# Altium PCB R32-Micro.PcbDoc (part 1 of 3) (continued)
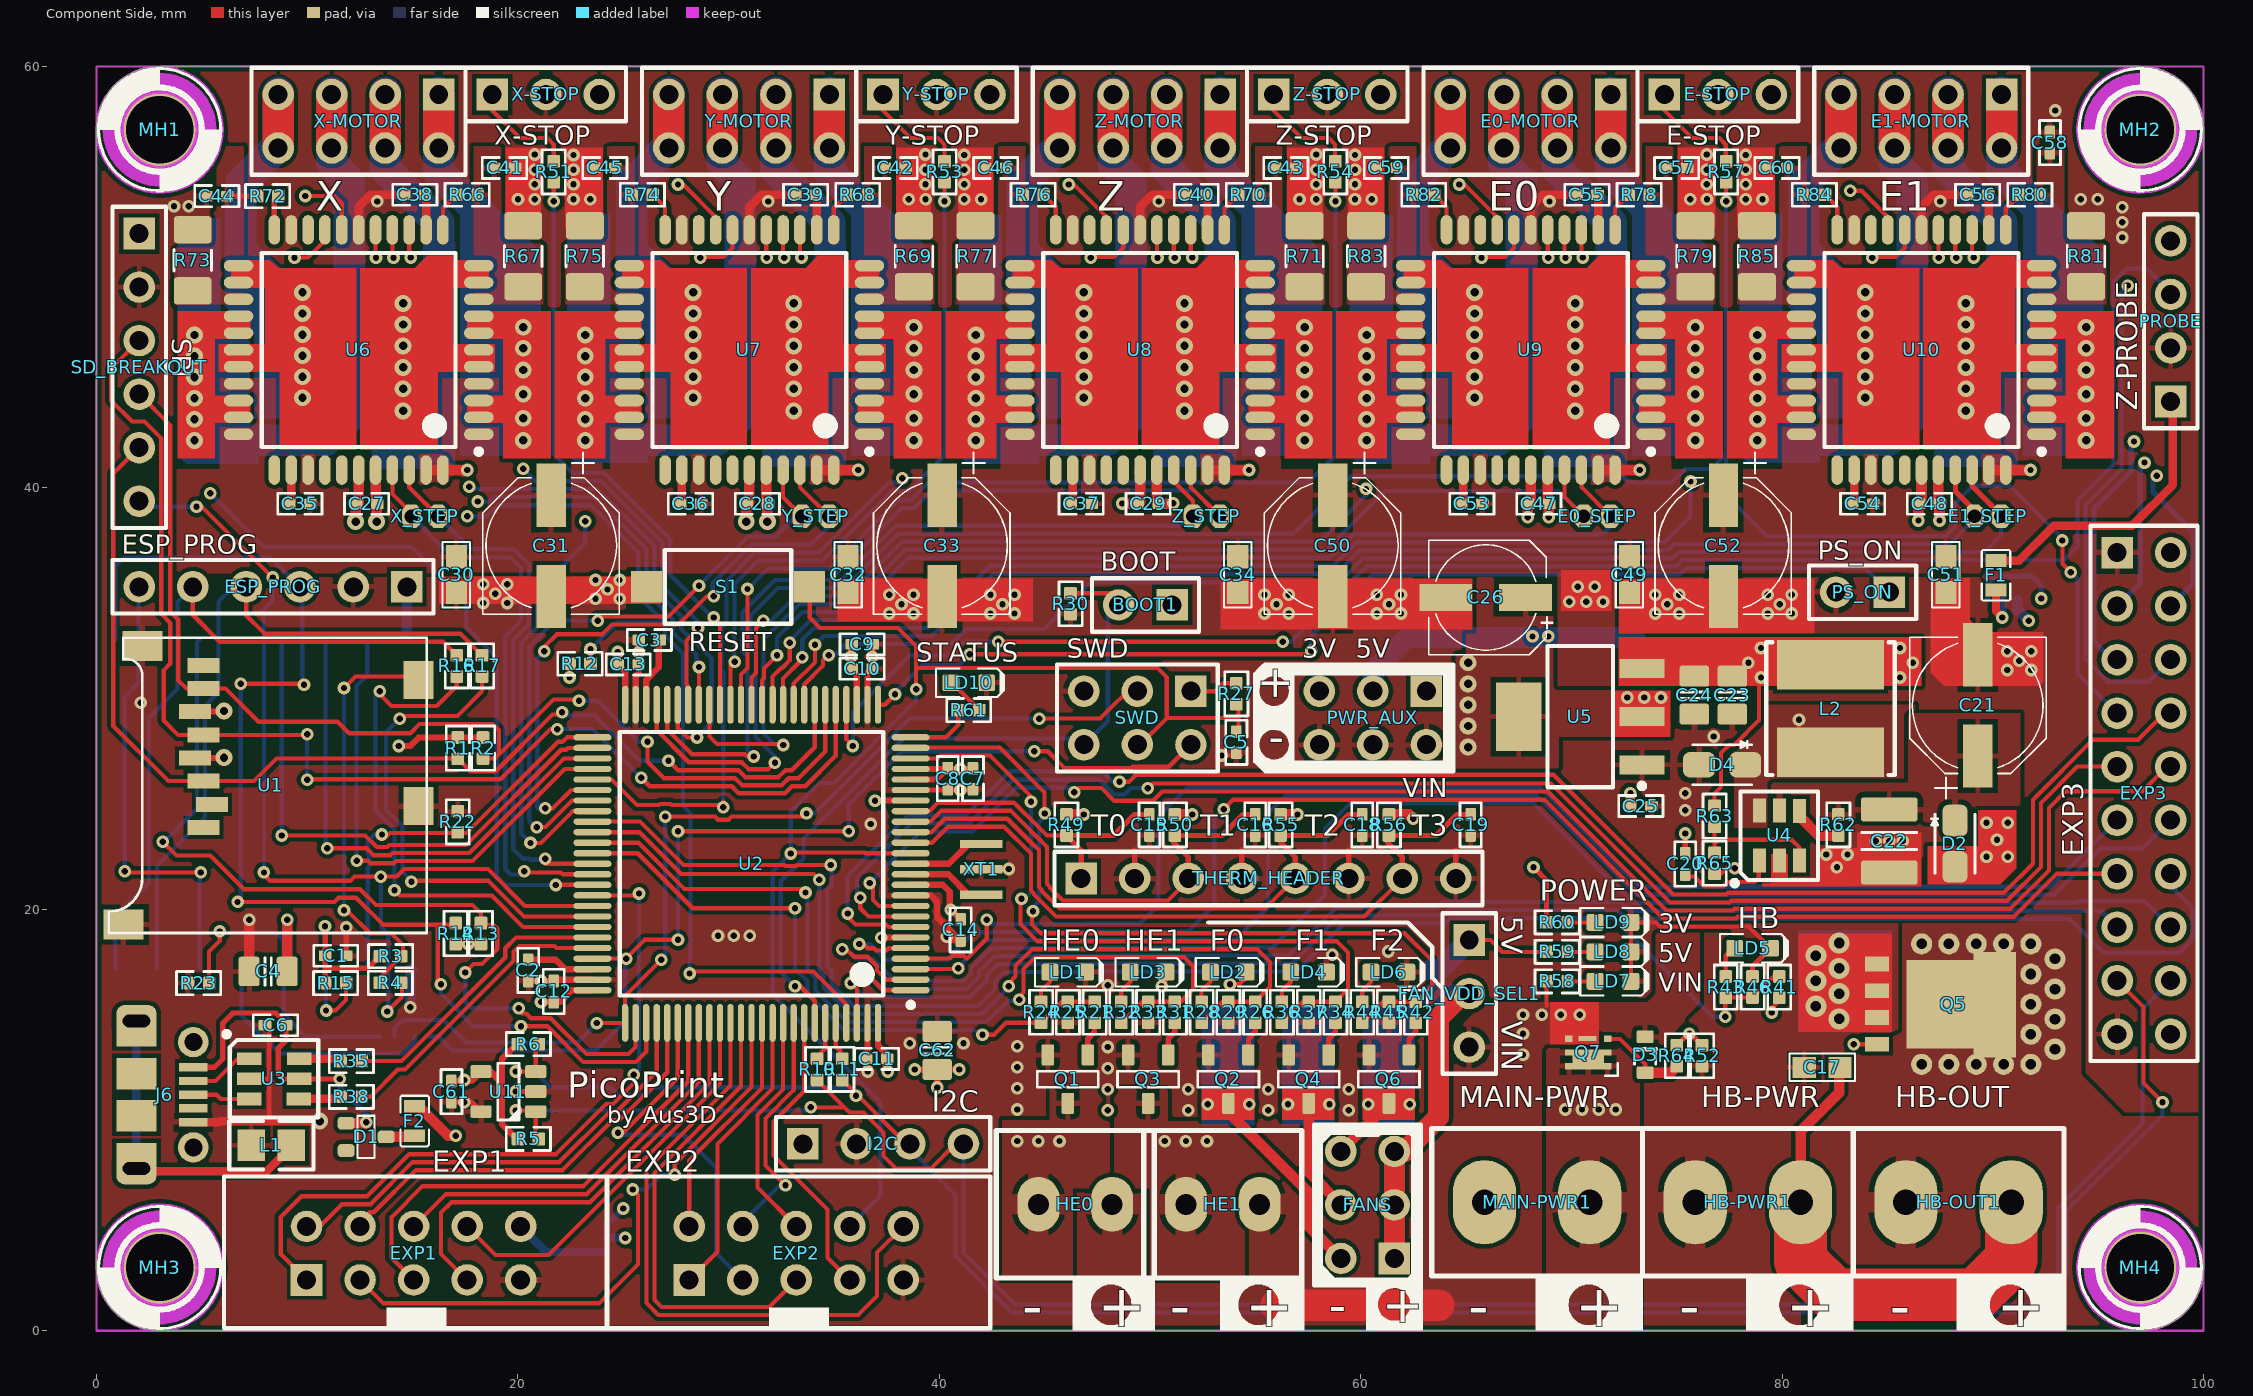
[diagram p0: Component Side view]
## Components (designator, comment, footprint, x,y, rotation, side; value= is the part's Value field where it differs from the comment) (continued)
FANS "FAN0" HDR2X3-Header 61.595,3.429 r90 top
HB-OUT1 "Screw Terminal 5mm 2-Way" "TERM2 5MM" 85.873,6.1 r0 top
HB-PWR1 "Screw Terminal 5mm 2-Way" "TERM2 5MM" 75.873,6.1 r0 top
HE0 "Screw Terminal 3.5mm 2-Way" "TERM2 3.5mm" 48.205,6 r180 top
HE1 "Screw Terminal 3.5mm 2-Way" "TERM2 3.5mm" 55.205,6 r180 top
I2C "Header 4" HDR1X4-HEADER 33.528,8.871 r0 top
J1 "Jumper" JUMPER-3-NO 24.2,4.418 r270 bottom
J2 "Jumper" JUMPER-3-NO-BIG 63.32,15.92 r270 bottom
J3 "Jumper" JUMPER-2-NO 15.466,13.95 r180 bottom
J4 "Jumper" JUMPER-2-NO 13.8,13.95 r180 bottom
J6 "Micro-USB B Socket" "Micro-USB B Molex 105017-0001" 4.6,11.2 r270 top locked
J9 "Jumper" JUMPER-3-NO 90.45,34.65 r0 bottom
L1 "Ferrite Bead SMD 0805" "Res 2012-0805" 8.3,8.8 r180 top
L2 "Inductor SMD 33uH 2.5A" "SRN6045TA SMD Inductor" 82.296,29.527 r180 top
LD1 "GREEN" "LED 1608-0603" 46.101,17.018 r0 top
LD2 "GREEN" "LED 1608-0603" 53.721,17.018 r0 top
LD3 "GREEN" "LED 1608-0603" 49.911,17.018 r0 top
LD4 "GREEN" "LED 1608-0603" 57.531,17.018 r0 top
LD5 "GREEN" "LED 1608-0603" 78.6,18.15 r0 top
LD6 "GREEN" "LED 1608-0603" 61.341,17.018 r0 top
LD7 "GREEN" "LED 1608-0603" 71.971,16.58 r0 top
LD8 "GREEN" "LED 1608-0603" 71.971,17.98 r0 top
LD9 "GREEN" "LED 1608-0603" 71.971,19.38 r0 top
LD10 "YELLOW" "LED 1608-0603" 41.4,30.75 r0 top
MAIN-PWR1 "Screw Terminal 5mm 2-Way" "TERM2 5MM" 65.873,6.1 r0 top
MH1 "Screw Hole" M3-Hole-2 3,57 r90 top
MH2 "Screw Hole" M3-Hole-2 97,57 r0 top
MH3 "Screw Hole" M3-Hole-2 3,3 r180 top
MH4 "Screw Hole" M3-Hole-2 97,3 r270 top
OSH_LOGO1 "OSH_LOGO" OSHW-LOGO-S 85.95,44.75 r180 bottom
PROBE "Header 4" HDR1X4-HEADER 98.44,44.1 r90 top
PS_ON "Header 2" HDR1X2-HEADER 85.09,35.052 r180 top
PWR_AUX "Header 3X2" HDR2X3-Header 63.119,30.353 r180 top
Q1 "MOSFET - AO3400A" "SOT23-3 New" 46.101,11.938 r270 top
Q2 "MOSFET - AO3400A" "SOT23-3 New" 53.721,11.938 r270 top
Q3 "MOSFET - AO3400A" "SOT23-3 New" 49.911,11.938 r270 top
Q4 "MOSFET - AO3400A" "SOT23-3 New" 57.531,11.938 r270 top
Q5 "PSMN1R8-40YLC" LFPACK 84.5,17.405 r270 top
Q6 "MOSFET - AO3400A" "SOT23-3 New" 61.341,11.938 r270 top
Q7 "SIA453EDJ-T1-GE3" "PowerPAK SC-70" 70.8,13.2 r90 top
R1 "Res-0402-47K" RESC1005X40N 17.15,27.65 r90 top
R2 "Res-0402-47K" RESC1005X40N 18.35,27.65 r90 top
R3 "Res-0402-10K" RESC1005X40N 13.962,17.78 r180 top
R4 "Res-0402-1K" RESC1005X40N 13.954,16.51 r180 top
R5 "Res-0402-2K2" RESC1005X40N 20.5,9.1 r180 top
R6 "Res-0402-2K2" RESC1005X40N 20.5,13.6 r180 top
R10 "Res-0402-100R" RESC1005X40N 34.2,12.4 r270 top
R11 "Res-0402-100R" RESC1005X40N 35.4,12.4 r270 top
R12 "Res-0402-10K" RESC1005X40N 22.95,31.65 r180 top
R13 "Res-0402-10K" RESC1005X40N 18.25,18.85 r270 top
R14 "Res-0402-10K" RESC1005X40N 17.05,18.85 r270 top
R15 "Res-0402-10K" RESC1005X40N 11.35,16.5 r180 top
R16 "Res-0402-1K" RESC1005X40N 17.1,31.55 r270 top
R17 "Res-0402-1K" RESC1005X40N 18.3,31.55 r270 top
R21 "Res-0402-10R" RESC1005X40N 47.371,15.113 r270 top
R22 "Res-0402-10K" RESC1005X40N 17.15,24.15 r270 top
R23 "Res-0402-10K" RESC1005X40N 4.85,16.5 r0 top
R24 "Res-0402-1K" RESC1005X40N 44.831,15.113 r270 top
R25 "Res-0402-100K" RESC1005X40N 46.101,15.113 r270 top
R26 "Res-0402-10R" RESC1005X40N 54.991,15.113 r270 top
R27 "Res-0402-10K" RESC1005X40N 54.1,30.225 r90 top
R28 "Res-0402-1K" RESC1005X40N 52.451,15.113 r270 top
R29 "Res-0402-100K" RESC1005X40N 53.721,15.113 r270 top
R30 "Res-0402-10K" RESC1005X40N 46.228,34.5 r90 top
R31 "Res-0402-10R" RESC1005X40N 51.181,15.113 r270 top
R32 "Res-0402-1K" RESC1005X40N 48.641,15.113 r270 top
R33 "Res-0402-100K" RESC1005X40N 49.911,15.113 r270 top
R34 "Res-0402-10R" RESC1005X40N 58.801,15.113 r270 top
R35 "Res-0402-22R" RESC1005X40N 12.1,12.8 r0 top
R36 "Res-0402-1K" RESC1005X40N 56.261,15.113 r270 top
R37 "Res-0402-100K" RESC1005X40N 57.531,15.113 r270 top
R38 "Res-0402-22R" RESC1005X40N 12.1,11.1 r0 top
R41 "Res-0402-10R" RESC1005X40N 79.865,16.31 r270 top
R42 "Res-0402-10R" RESC1005X40N 62.611,15.113 r270 top
R43 "Res-0402-1K" RESC1005X40N 77.325,16.31 r270 top
R44 "Res-0402-1K" RESC1005X40N 60.071,15.113 r270 top
R45 "Res-0402-100K" RESC1005X40N 61.341,15.113 r270 top
R46 "Res-0402-100K" RESC1005X40N 78.595,16.31 r90 top
R49 "Res-0402-4K7" RESC1005X40N 46.038,24.003 r90 top
R50 "Res-0402-4K7" RESC1005X40N 51.181,24.003 r90 top
R51 "Res-0402-1K" RESC1005X40N 21.7,55 r90 top
R52 "Res-0402-EMPTY" RESC1005X40N 76.2,13.05 r270 top
R53 "Res-0402-1K" RESC1005X40N 40.25,55 r90 top
R54 "Res-0402-1K" RESC1005X40N 58.8,55 r90 top
R55 "Res-0402-4K7" RESC1005X40N 56.197,24.003 r90 top
R56 "Res-0402-4K7" RESC1005X40N 61.341,24.003 r90 top
R57 "Res-0402-1K" RESC1005X40N 77.342,55 r90 top
R58 "Res-0402-1K" RESC1005X40N 69.321,16.58 r180 top
R59 "Res-0402-1K" RESC1005X40N 69.321,17.98 r180 top
R60 "Res-0402-1K" RESC1005X40N 69.321,19.38 r180 top
R61 "Res-0402-1K" RESC1005X40N 41.4,29.45 r180 top
R62 "Res-0402-1K" RESC1005X40N 82.669,24.003 r270 top
R63 "Res-0402-54.9K" RESC1005X40N 76.793,24.42 r90 top
R64 "Res-0402-100K" RESC1005X40N 75,13.05 r270 top
R65 "Res-0402-10K" RESC1005X40N 76.793,22.184 r90 top
R66 "Res-0402-22R" RESC1005X40N 17.59,53.912 r0 top
R67 "Res-1206-0R05" "Res 3216-1206" 20.256,50.99 r270 top
R68 "Res-0402-22R" RESC1005X40N 36.131,53.911 r0 top
R69 "Res-1206-0R05" "Res 3216-1206" 38.798,50.99 r270 top
R70 "Res-0402-22R" RESC1005X40N 54.674,53.912 r0 top
R71 "Res-1206-0R05" "Res 3216-1206" 57.34,50.99 r270 top
R72 "Res-0402-22R" RESC1005X40N 8.128,53.848 r180 top
R73 "Res-1206-0R05" "Res 3216-1206" 4.572,50.8 r270 top
R74 "Res-0402-22R" RESC1005X40N 25.908,53.911 r180 top
R75 "Res-1206-0R05" "Res 3216-1206" 23.177,50.99 r270 top
R76 "Res-0402-22R" RESC1005X40N 44.45,53.911 r180 top
R77 "Res-1206-0R05" "Res 3216-1206" 41.719,50.99 r270 top
R78 "Res-0402-22R" RESC1005X40N 73.215,53.911 r0 top
R79 "Res-1206-0R05" "Res 3216-1206" 75.882,50.99 r270 top
R80 "Res-0402-22R" RESC1005X40N 91.758,53.912 r0 top
R81 "Res-1206-0R05" "Res 3216-1206" 94.424,50.99 r270 top
R82 "Res-0402-22R" RESC1005X40N 62.992,53.911 r180 top
R83 "Res-1206-0R05" "Res 3216-1206" 60.261,50.99 r270 top
R84 "Res-0402-22R" RESC1005X40N 81.534,53.911 r180 top
R85 "Res-1206-0R05" "Res 3216-1206" 78.803,50.99 r270 top
S1 "Reset" "SW-PB SMD 2pin" 29.972,35.298 r180 top locked
SD_BREAKOUT "Header 6" HDR1X6-HEADER 2.032,52.07 r270 top
SWD "Header 3X2" HDR2X3-Header 51.943,30.353 r180 top
THERM_HEADER "T0" HDR1X8-HEADER 46.736,21.463 r0 top locked
U1 "MICROSD" MICRO-SD 9.37,26.289 r90 top locked
U2 "STM32F446VET6" STM-LQFP100_N 31.09,22.16 r180 top locked
U3 "USBLC6 USB ESD Protection" SOT23-6N 8.425,11.95 r0 top
U4 "AOZ1282CI" SOT23-6N 79.875,23.491 r90 top
U5 "AP2114H-3.3TRG1" SOT229P700X180-4N 70.421,29.146 r180 top
U6 "TMC2660" TQFP80P1200X1200X160-44N 12.446,46.545 r180 top locked
U7 "TMC2660" TQFP80P1200X1200X160-44N 30.988,46.545 r180 top locked
U8 "TMC2660" TQFP80P1200X1200X160-44N 49.53,46.545 r180 top locked
U9 "TMC2660" TQFP80P1200X1200X160-44N 68.072,46.545 r180 top locked
U10 "TMC2660" TQFP80P1200X1200X160-44N 86.614,46.545 r180 top locked
U11 "EEPROM - Serial I2C" SOT23-5 19.55,11.35 r180 top
X-MOTOR "Header 4X2" HDR2X4-HEADER 16.246,58.668 r180 top
X-STOP "Header 3" HDR1X3-HEADER 18.786,58.668 r0 top
X_STEP "Header 2" HEADER-1X2-50MIL 318.48,-269.96 r180 top
XT1 "Ceramic Resonator CSTCE12M0G55-R0" "CERALOCK CSTCE_G" 41.99,21.9 r270 top
Y-MOTOR "Header 4X2" HDR2X4-HEADER 34.788,58.668 r180 top
Y-STOP "Header 3" HDR1X3-HEADER 37.328,58.668 r0 top
Y_STEP "Header 2" HEADER-1X2-50MIL 337.022,-269.96 r180 top
Z-MOTOR "Header 4X2" HDR2X4-HEADER 53.33,58.668 r180 top
Z-STOP "Header 3" HDR1X3-HEADER 55.87,58.668 r0 top
Z_STEP "Header 2" HEADER-1X2-50MIL 355.569,-269.955 r180 top

## Footprints (in the part's own frame and the unit in brackets; to place one, negate y for a bottom-side part, rotate by r counter-clockwise, add the part's x,y. Pads: shape width x height; smd on the part's side, far side on the other; paste and mask are expansions set on the pad)
"CAP 1005-0402" [mm] "Chip Capacitor, Body 1.0x0.5mm, EIA 0402, IPC Medium Density"
  round 0.2 on Mech15: 0(0,0)
  rrect20% 0.6x0.5 smd: 1(-0.5,0) 2(0.5,0)
  Component Side pour cut-out: -0.325,0.375 -0.2,0.5 0.2,0.5 0.325,0.375 0.325,-0.375 0.2,-0.5 -0.2,-0.5 -0.325,-0.375
  silkscreen extent -1.05,-0.5 1.05,0.5, body extent -0.52,-0.27 0.53,0.28, height 0.55
"Cap 1608-0603" [mm]
  rect 1.1x1 smd: 1(-0.85,0) 2(0.85,0)
  silkscreen extent -1.55,-0.65 1.55,0.65, body extent -0.8,-0.4 0.8,0.4, height 0.4
"CAP 3225-1210" [mm] "Chip Capacitor, Body 3.2x2.5mm, EIA 1210, IPC Medium Density"
  round 0.508 on Mech15: 0(0,0)
  rrect25% 1.15x2.7 smd: 1(-1.5,0) 2(1.5,0)
  silkscreen extent -0.4,-1.3 0.4,1.3, body extent -1.8,-1.4 1.8,1.4, height 2.19
"CAP EL 5mm" [mm]
  rect 1.3x2.5 smd: 1(0,1.88) 2(0,-1.905)
  silkscreen extent -2.72,-2.72 2.72,3.16, body extent -2.75,-3.25 2.75,3.25, height 5.5
"CAP EL PANASONIC" [mil]
  rect 55x118 smd: 1(0,190.97) 2(0,1.97)
  silkscreen extent -128,-31 127,271, body extent -134,-57 134,250, height 217
CAPC2012X135N [mm] "Chip Capacitor, Body 2.0x1.2mm, EIA 0805, IPC Medium Density"
  round 0.254 on Mech15: 0(0,0)
  rrect25% 1x1.4 smd: 1(-0.9,0) 2(0.9,0)
  Component Side pour cut-out: -0.675,0.7 -0.475,0.9 0.475,0.9 0.675,0.7 0.675,-0.7 0.475,-0.9 -0.475,-0.9 -0.675,-0.7
  silkscreen extent -0.15,-0.65 0.15,0.65, body extent -1.1,-0.72 1.1,0.73, height 1.34
"CERALOCK CSTCE_G" [mm]
  rect 0.4x2 smd: 1(-1.2,0) 2(0,0) 3(1.2,0)
  body extent -1.6,-0.65 1.6,0.65, height 0.7
DIOM2616X08N [mm] "Molded Diode, 2-Leads, Body 2.60x1.60mm, IPC Medium Density"
  rrect50% 1.5x1.2 smd: A(1.1,0) K(-1.1,0)
  silkscreen extent -1.4,-1.11 1.4,0.95, body extent -1.35,-0.85 1.35,0.85, height 0.85
"ESP8266 ESP-12-E-SMD" [mil] "ESP8266 ESP-12-E"
  rect 100x45 smd: 1(-653,646) 2(-653,568) 3(-653,489) 4(-653,411) 5(-653,331) 6(-653,253) 7(-653,175) 8(-653,96) 15(-38,95) 16(-38,174) 17(-38,252) 18(-39,331) 19(-39,410) 20(-39,488) 21(-39,568) 22(-39,646)
  rect 55x100 smd: 9(-543,14) 10(-465,14) 11(-387,14) 12(-307,14) 13(-229,14) 14(-149,14)
  silkscreen extent -665,30 -25,60, body extent -658,29 -28,973, height 86
HDR1X2-HEADER [mm]
  rect 1.5x1.5 hole 0.9: 1(0,0)
  round 1.5 hole 0.9: 2(2.54,0)
  silkscreen extent -1.27,-1.27 3.81,1.27, body extent -1.27,-1.27 3.81,1.27, height 8.6
HDR1X3-HEADER [mm]
  rect 1.5x1.5 hole 0.9: 1(0,0)
  round 1.5 hole 0.9: 2(2.54,0) 3(5.08,0)
  silkscreen extent -1.27,-1.27 6.35,1.27, body extent -1.27,-1.27 6.35,1.27, height 8.6
HDR1X4-HEADER [mm]
  rect 1.5x1.5 hole 0.9: 1(0,0)
  round 1.5 hole 0.9: 2(2.54,0) 3(5.08,0) 4(7.62,0)
  silkscreen extent -1.27,-1.27 8.89,1.27, body extent -1.27,-1.27 8.89,1.27, height 8.6
HDR1X6-HEADER [mm]
  rect 1.5x1.5 hole 0.9: 1(0,0)
  round 1.5 hole 0.9: 2(2.54,0) 3(5.08,0) 4(7.62,0) 5(10.16,0) 6(12.7,0)
  silkscreen extent -1.27,-1.27 13.97,1.27, body extent -1.27,-1.27 13.97,1.27, height 8.6
HDR1X8-HEADER [mm]
  rect 1.5x1.5 hole 0.9: 1(0,0)
  round 1.5 hole 0.9: 2(2.54,0) 3(5.08,0) 4(7.62,0) 5(10.16,0) 6(12.7,0) 7(15.24,0) 8(17.78,0)
  silkscreen extent -1.27,-1.27 19.05,1.27, body extent -1.27,-1.27 19.05,1.27, height 8.6
HDR2X3-Header [mm]
  rect 1.5x1.5 hole 0.9: 1(0,0)
  round 1.5 hole 0.9: 2(0,2.54) 3(2.54,0) 4(2.54,2.54) 5(5.08,0) 6(5.08,2.54)
  silkscreen extent -1.27,-1.27 6.35,3.81, body extent -1.27,-1.27 6.35,3.81, height 8.6
HDR2X4-HEADER [mm]
  rect 1.5x1.5 hole 0.9: 1(0,0)
  round 1.5 hole 0.9: 2(0,2.54) 3(2.54,0) 4(2.54,2.54) 5(5.08,0) 6(5.08,2.54) 7(7.62,0) 8(7.62,2.54)
  silkscreen extent -1.27,-1.27 8.89,3.81, body extent -1.27,-1.27 8.89,3.81, height 8.6
"HDR2X5_exp Iner only\" [mm]
  rect 1.5x1.5 hole 0.9: 1(4.004,2.302)
  round 1.5 hole 0.9: 2(4.004,4.842) 3(6.544,2.302) 4(6.544,4.842) 5(9.084,2.302) 6(9.084,4.842) 7(11.624,2.302) 8(11.624,4.842) 9(14.164,2.302) 10(14.164,4.842)
  silkscreen extent 0.09,0.01 18.29,7.21, body extent 2.73,1.03 15.43,6.11, height 8.6
HDR2X10-HEADER [mm]
  rect 1.5x1.5 hole 0.9: 1(0,0)
  round 1.5 hole 0.9: 2(0,2.54) 3(2.54,0) 4(2.54,2.54) 5(5.08,0) 6(5.08,2.54) 7(7.62,0) 8(7.62,2.54) 9(10.16,0) 10(10.16,2.54) 11(12.7,0) 12(12.7,2.54) 13(15.24,0) 14(15.24,2.54) 15(17.78,0) 16(17.78,2.54) 17(20.32,0) 18(20.32,2.54) 19(22.86,0) 20(22.86,2.54)
  silkscreen extent -1.27,-1.27 24.13,3.81, body extent -1.27,-1.27 24.13,3.81, height 8.6
HEADER-1X2-50MIL [mm]
  oct 0.9x1.1 hole 0.66: 1(302.26,-308.61) 2(303.53,-308.61)
  body extent 301.63,-309.81 304.17,-307.41, height 5
JUMPER-2-NO [mm]
  rect 0.5x1 smd: 1(-0.35,0) 2(0.35,0)
JUMPER-3-NO [mm]
  rect 0.5x1 smd: 1(-0.7,0) 2(0,0) 3(0.7,0)
JUMPER-3-NO-BIG [mm]
  rect 1x1 smd: 1(-1.2,0) 2(0,0) 3(1.2,0)
"LED 1608-0603" [mm]
  round 0.254 on Mech15: 0(0,0)
  rrect25% 0.8x0.8 smd: 1(-0.85,0) 2(0.85,0)
  Component Side pour cut-out: -0.5,0.5 0.5,0.5 0.5,-0.5 -0.5,-0.5
  silkscreen extent -1.55,-0.68 1.68,0.68, body extent -0.8,-0.4 0.8,0.4, height 0.75
LFPACK [mm]
  rect 0.7x1.15 smd: 1(3.81,0) 3(0,0) 3(1.27,0) 3(2.54,0)
  round 1 hole 0.5: 2(-0.953,7.302) 2(-0.953,6.007) 2(-0.953,4.711) 2(-0.953,3.416) 2(-0.953,2.12) 2(0.476,7.302) 2(1.905,7.302) 2(3.333,7.302) 2(4.762,6.007) 2(4.762,7.302) 2(4.762,2.12) 2(4.762,3.416) 2(4.762,4.711)
  rect 4.2x3.2 smd: 2(1.905,3)
  rect 5x2 smd: 2(1.93,5.588)
  body extent -0.58,-0.33 4.42,6.14, height 1.1
M3-Hole-2 [mm]
  round 3.6 hole 3.2: M3(0,0)
  silkscreen extent -2.9,-2.93 2.9,2.93
MICRO-SD [mil]
  rect 28x60 smd: 1(-95,168.9) 2(-52,153.15) 3(-8,168.9) 4(35,184.65) 5(78,168.9) 6(122,184.65) 7(165,168.9) 8(208,168.9)
  rect 71x56 smd: CD1(181,-232.68) CD2(-55,-232.68)
  rect 56x75 smd: MT1(244,283.07) MT2(-276,318.5)
  silkscreen extent -292,-248 260,346, body extent -298,-268 258,331, height 79
"Micro-USB B Molex 105017-0001" [mm]
  round 1.45 hole 0.85: 4(-2.5,0) 5(2.5,0)
  rect 1.5x1.9 smd: 6(-1,-2.7) 7(1,-2.7) SHIELD(-3.05,-2.7) SHIELD(3.05,-2.7)
  rect 0.4x1.35 smd: D+(0,0) D-(-0.65,0) GND(1.3,0) ID(0.65,0) VBUS(-1.3,0)
  rrect50% 1.5x1.9 hole 0.6 slot 1.3 at 90 deg paste+0: SHIELD(-3.5,-2.7) SHIELD(3.5,-2.7)
  body extent -4.1,-5.25 4.1,0.15, height 2.68
OSHW-LOGO-S [mm]
  silkscreen extent -1.49,-1.18 1.5,1.5
"PowerPAK SC-70" [mm]
  rect 0.3x0.35 smd: 1(-0.65,0.925) 1(-0.65,-0.925) 1(0,0.925) 1(0,-0.925) 3(0.65,-0.925) 4(0.65,0.925)
  rect 0.95x1.5 smd: 1(-0.325,0)
  rect 0.235x0.87 smd: 4(0.67,0.04)
  silkscreen extent -1.1,-1.4 -0.5,-0.8, body extent -1.02,-1.02 1.03,1.03, height 0.75
"PTC Fuse1608-0603" [mm]
  rect 0.6x1 smd: 1(-0.7,0) 2(0.7,0)
  silkscreen extent -1.2,-0.67 1.2,0.67, body extent -0.82,-0.42 0.83,0.43, height 0.48
"Res 2012-0805" [mm]
  rect 1.3x1.5 smd: 1(-0.95,0) 2(0.95,0)
  silkscreen extent -2,-1.15 2,1.15, body extent -1,-0.63 1,0.63, height 1.5
"Res 3216-1206" [mm] "Chip Resistor, Body 3.2x1.6mm, EIA 1206, IPC Medium Density"
  round 0.508 on Mech15: 0(0,0)
  rrect25% 1.3x1.8 smd: 1(-1.45,0) 2(1.45,0)
  silkscreen extent -0.51,-0.89 0.51,0.89, body extent -1.62,-0.82 1.63,0.83, height 0.69
RESC1005X40N [mm] "Chip Resistor, Body 1.0x0.5mm, EIA 0402, IPC Medium Density"
  round 0.2 on Mech15: 0(0,0)
  rrect20% 0.6x0.6 smd: 1(-0.5,0) 2(0.5,0)
  Component Side pour cut-out: -0.325,0.375 -0.2,0.5 0.2,0.5 0.325,0.375 0.325,-0.375 0.2,-0.5 -0.2,-0.5 -0.325,-0.375
  silkscreen extent -1.05,-0.55 1.05,0.55, body extent -0.52,-0.27 0.53,0.28, height 0.4
SC-85 [mm] "SMini3-F2-B"
  round 0.508 on Mech15: 0(0,0)
  rrect50% 0.6x0.8 smd: 1(-0.65,-0.95) 2(0.65,-0.95) 3(0,0.95)
  silkscreen extent -1,-0.4 1,0.4, body extent -1,-0.7 1,0.7, height 0.9
SOD523 [mm] "SOD-523; 2 Leads; Body 1.2 x 0.8 mm, (LxW)"
  round 0.508 on Mech15: 0(0,0)
  rrect20% 0.6x0.8 smd: A(0.85,0) K(-0.85,0)
  Component Side pour cut-out: -0.725,-0.25 -0.725,0.25 -0.525,0.45 0.525,0.45 0.725,0.25 0.725,-0.25 0.525,-0.45 -0.525,-0.45
  silkscreen extent -0.25,-0.51 0.45,0.51, body extent -0.85,-0.45 0.85,0.45, height 0.7
"SOT23-3 New" [mm] "SOT23, 3 pin"
  round 0.5 on Mech15: 0(0,0)
  rrect25% 1x0.6 smd: 1(-1.15,0.95) 2(-1.15,-0.95) 3(1.15,0)
  silkscreen extent -0.38,-1.45 0.38,1.45, body extent -1.4,-1.45 1.4,1.45, height 1.29
SOT23-5 [mm]
  round 0.5 on Mech15: 0(0,0)
  rrect25% 1x0.6 smd: 1(-1.3,0.95) 2(-1.3,0) 3(-1.3,-0.95) 4(1.3,-0.95) 5(1.3,0.95)
  silkscreen extent -0.51,-1.35 0.51,1.35, body extent -1.4,-1.45 1.4,1.45, height 1.44
SOT23-6N [mm]
  rect 1.15x0.6 smd: 1(-1.175,0.95) 2(-1.175,0) 3(-1.175,-0.95) 4(1.175,-0.95) 5(1.2,0) 6(1.2,0.95)
  silkscreen extent -2.37,-1.82 2.1,2.25, body extent -0.85,-1.5 0.85,1.5, height 1.45
SOT229P700X180-4N [mm] "SOT223, 4-Leads, Body 6.50x7.00mm (avg), Pitch 2.29mm, IPC Medium Density"
  rect 2.15x0.9 smd: GND(-2.925,2.29) Vin(-2.925,-2.29) Vout(-2.925,0)
  rect 2.15x3.25 smd: Vout(2.925,0)
  silkscreen extent -3.05,-3.35 1.55,3.41, body extent -3.5,-3.35 3.5,3.35, height 1.8
"SRN6045TA SMD Inductor" [mm]
  rect 5.1x2.35 smd: 1(0,2.075) 2(0,-2.075)
  silkscreen extent -3.05,-3.15 3.05,3.15, body extent -3,-3 3,3, height 4.25
STM-LQFP100_N [mm] "Thin QFP, 100-Leads, Body 14x14mm, Pitch 0.5mm, IPC Medium Density"
  oval 1.8x0.3 smd: 1(-7.55,6) 2(-7.55,5.5) 3(-7.55,5) 4(-7.55,4.5) 5(-7.55,4) 6(-7.55,3.5) 7(-7.55,3) 8(-7.55,2.5) 9(-7.55,2) 10(-7.55,1.5) 11(-7.55,1) 12(-7.55,0.5) 13(-7.55,0) 14(-7.55,-0.5) 15(-7.55,-1) 16(-7.55,-1.5) 17(-7.55,-2) 18(-7.55,-2.5) 19(-7.55,-3) 20(-7.55,-3.5) 21(-7.55,-4) 22(-7.55,-4.5) 23(-7.55,-5) 24(-7.55,-5.5) 25(-7.55,-6) 51(7.55,-6) 52(7.55,-5.5) 53(7.55,-5) 54(7.55,-4.5) 55(7.55,-4) 56(7.55,-3.5) 57(7.55,-3) 58(7.55,-2.5) 59(7.55,-2) 60(7.55,-1.5) 61(7.55,-1) 62(7.55,-0.5) 63(7.55,0) 64(7.55,0.5) 65(7.55,1) 66(7.55,1.5) 67(7.55,2) 68(7.55,2.5) 69(7.55,3) 70(7.55,3.5) 71(7.55,4) 72(7.55,4.5) 73(7.55,5) 74(7.55,5.5) 75(7.55,6)
  oval 0.3x1.8 smd: 26(-6,-7.55) 27(-5.5,-7.55) 28(-5,-7.55) 29(-4.5,-7.55) 30(-4,-7.55) 31(-3.5,-7.55) 32(-3,-7.55) 33(-2.5,-7.55) 34(-2,-7.55) 35(-1.5,-7.55) 36(-1,-7.55) 37(-0.5,-7.55) 38(0,-7.55) 39(0.5,-7.55) 40(1,-7.55) 41(1.5,-7.55) 42(2,-7.55) 43(2.5,-7.55) 44(3,-7.55) 45(3.5,-7.55) 46(4,-7.55) 47(4.5,-7.55) 48(5,-7.55) 49(5.5,-7.55) 50(6,-7.55) 76(6,7.55) 77(5.5,7.55) 78(5,7.55) 79(4.5,7.55) 80(4,7.55) 81(3.5,7.55) 82(3,7.55) 83(2.5,7.55) 84(2,7.55) 85(1.5,7.55) 86(1,7.55) 87(0.5,7.55) 88(0,7.55) 89(-0.5,7.55) 90(-1,7.55) 91(-1.5,7.55) 92(-2,7.55) 93(-2.5,7.55) 94(-3,7.55) 95(-3.5,7.55) 96(-4,7.55) 97(-4.5,7.55) 98(-5,7.55) 99(-5.5,7.55) 100(-6,7.55)
  silkscreen extent -7.68,-6.25 6.25,6.82, body extent -7.98,-8.03 8.02,7.97, height 1.11
"SW-PB SMD 2pin" [mm]
  rect 1.5x1.5 smd: 1(-3.85,0) 2(3.85,0)
  silkscreen extent -3,-1.75 3,1.75
"TERM2 3.5mm" [mm]
  oval 2x2.6 hole 1: 1(0,0) 2(3.5,0)
  silkscreen extent -2,-3.5 5.5,3.5, body extent -1.8,-3.79 5.31,3.5, height 8.51
"TERM2 5MM" [mm]
  oval 3x4 hole 1.2: 1(0,0) 2(5,0)
  silkscreen extent -2.5,-3.5 7.5,3.5, body extent -2.8,-5 7.5,5.2, height 14.3
TQFP80P1200X1200X160-44N [mm] "TQFP, 44-Leads, Body 10.00x10.00mm, Pitch 0.80mm, IPC Medium Density"
  oval 1.4x0.55 smd: 1(-5.7,4) 2(-5.7,3.2) 3(-5.7,2.4) 4(-5.7,1.6) 5(-5.7,0.8) 6(-5.7,0) 7(-5.7,-0.8) 8(-5.7,-1.6) 9(-5.7,-2.4) 10(-5.7,-3.2) 11(-5.7,-4) 23(5.7,-4) 24(5.7,-3.2) 25(5.7,-2.4) 26(5.7,-1.6) 27(5.7,-0.8) 28(5.7,0) 29(5.7,0.8) 30(5.7,1.6) 31(5.7,2.4) 32(5.7,3.2) 33(5.7,4)
  oval 0.55x1.4 smd: 12(-4,-5.7) 13(-3.2,-5.7) 14(-2.4,-5.7) 15(-1.6,-5.7) 16(-0.8,-5.7) 17(0,-5.7) 18(0.8,-5.7) 19(1.6,-5.7) 20(2.4,-5.7) 21(3.2,-5.7) 22(4,-5.7) 34(4,5.7) 35(3.2,5.7) 36(2.4,5.7) 37(1.6,5.7) 38(0.8,5.7) 39(0,5.7) 40(-0.8,5.7) 41(-1.6,5.7) 42(-2.4,5.7) 43(-3.2,5.7) 44(-4,5.7)
  silkscreen extent -5.82,-4.6 4.6,4.95, body extent -6,-6 6,6, height 1.1

## Part data
BOOT1 E0_STEP E1_STEP PS_ON X_STEP Y_STEP Z_STEP: "Header, 2-Pin"
C1 C2 C3 C4 C5 C6 C7 C8 C9 C10 C11 C12 C13 C14 C15 C16 C17 C18 C19 C20 C22 C23 C24 C25 C27 C28 C29 C30 C32 C34 C35 C36 C37 C38 C39 C40 C41 C42 C43 C44 C45 C46 C47 C48 C49 C51 C53 C54 C55 C56 C57 C58 C59 C60 C61 C62: "Capacitor (Semiconductor SIM Model)"
C21 C26 C31 C33 C50 C52: "Polarized Capacitor (Surface Mount)"
D1 D2 D3 D4: "Default Diode"
E0-MOTOR E1-MOTOR X-MOTOR Y-MOTOR Z-MOTOR: "Header, 4-Pin, Dual row"
E-STOP FAN_VDD_SEL1 X-STOP Y-STOP Z-STOP: "Header, 3-Pin"
ESP_PROG SD_BREAKOUT: library part "Header 6x1", "Header, 6-Pin"
EXP1 EXP2: "Header, 5-Pin, Dual row"
EXP3: "Header, 10-Pin, Dual row"
F1 F2: library part "Fuse - 15V 200mA Trip PTC SMD 0603", "Fuse - 15V 200mA Trip PTC SMD 0603"
FANS: library part "Header 3x2_MULTI", "Header, 6-Pin"
HB-OUT1 HB-PWR1 MAIN-PWR1: library part ScrewTerminal-5mm-2Way
HE0 HE1: library part ScrewTerminal-3.5mm-2Way
I2C PROBE: "Header, 4-Pin"
J1 J2 J9: library part JUMP3-NO, "SMD jumper"
J3 J4: library part JUMP1-NO, "SMD jumper"
L1 L2: "MagneticCore Inductor with Winding Polarity Marking"
LD1 LD2 LD3 LD4 LD5 LD6 LD7 LD8 LD9: library part "LEDG  0603", "Hyper-Bright LED"
LD10: library part "LEDY  0603", "Hyper-Bright LED"
PWR_AUX SWD: "Header, 3-Pin, Dual row"
Q1 Q2 Q3 Q4 Q6: "N-CH MOSFET 30V 5.7A SOT23"
Q5: library part "MOSFET - PSMN1R8-40YLC", "N-CH MOSFET 40V 100A LFPAK"
Q7: library part "MOSFET - SIA453EDJ-T1-GE3", "MOSFET SMD P-CH 30V 24A PowerPAK SC-70-6"
R1 R2 R3 R4 R5 R6 R10 R11 R12 R13 R14 R15 R16 R17 R21 R22 R23 R24 R25 R26 R27 R28 R29 R30 R31 R32 R33 R34 R35 R36 R37 R38 R41 R42 R43 R44 R45 R46 R49 R50 R51 R52 R53 R54 R55 R56 R57 R58 R59 R60 R61 R62 R63 R64 R65 R66 R67 R68 R69 R70 R71 R72 R73 R74 R75 R76 R77 R78 R79 R80 R81 R82 R83 R84 R85: "Resistor"
S1: library part SW-PB, "SMD Button"
THERM_HEADER: library part "Header 8x1_MULTI", "Header, 8-Pin"
U1: "MicroSD Card Socket"
U2: "ARM Cortex-M4 32-bit MCU+FPU, 210 DMIPS, 512 kB Flash, 128 kB Internal RAM, 81 I/Os, 100-pin LQFP, -40 to 105 degC, Tray"
U3: "ESD Protection IC"
U4: library part "Regulator - AOZ1282CI Buck Regulator", "Buck Regulator"
U5: library part "Regulator - AP2114 3.3V Linear Regulator", "3.3V LDO Regulator"
U6 U7 U8 U9 U10: "Stepper Driver IC"
XT1: "Ceramic Resonator"

## Via types
v1: diameter 0.6, hole 0.3, Component Side to Solder Side, tented both sides, 399 vias
v2: diameter 0.8, hole 0.4, Component Side to Solder Side, tented both sides, 132 vias
v3: diameter 1, hole 0.5, Component Side to Solder Side, tented both sides, 11 vias

## Nets (pads, with @x,y where several pads share a name; then routed paths per layer and width w, separated by ;. In a path a pad name is that pad's centre, name@x,y a point inside that pad or via, vN(x,y) a via of type N, cw(c..) or ccw(c..) an arc to the next point about the centre after c; other vN are vias at no path point)
+3V3: A1.8 BOOT1.1 C1.2 C4.2 C7.2 C8.2 C9.2 C10.2 C11.2 C12.2 C13.2 C14.2 C25.2 C26.1 C27.2 C28.2 C29.2 C47.2 C48.2 C61.2 C62.2 ESP_PROG.1 J1.1 J9.1 PWR_AUX.5 R1.2 R2.2 R3.2 R5.2 R6.2 R12.2 R13.2 R14.2 R15.2 R27.2 R49.2 R50.2 R55.2 R56.2 R60.2 SD_BREAKOUT.1 SWD.1 U1.4 U2.6 U2.11 U2.19 U2.21 U2.22 U2.28 U2.50 U2.75 U2.100 U5.Vout U6.40 U7.40 U8.40 U9.40 U10.40 U11.4 | length 78.7
  Component Side w0.2: v1(22.45,31) R12.2@22.45,31.65 ; SWD.1@51.943,30.353 53.103,30.353 53.475,30.725 R27.2@54.1,30.725 R27.2@54.2,30.725 ; U5.Vout@73.346,28.981 U5.Vout@73.346,29.146
  Component Side w0.25: R15.2@10.85,16.5 10.85,17.2 ; v1(10.85,19.2) 10.86,19.19 C1.2@10.86,17.8 10.85,17.79 10.85,17.2 ; R3.2@13.462,17.78 12.882,17.2 10.85,17.2 ; R14.2@17.05,18.35 R13.2@18.25,18.35 ; R14.2@17.3,18.3 v1@17.6,18.3 ; v1(68.2,22) 68.821,21.379 R60.2@68.821,19.38
  Component Side w0.3: U1.4@4.68,27.178 6.078,27.178 v2(6.056,27.2) ; v1(14.35,27.75) 14.9,27.75 15.3,28.15 R2.2@18.35,28.15 ; C61.2@16.85,11.85 17.8,11.85 U11.4@18.25,12.3 18.7,12.3 19.25,11.75 ; R5.2@20,9.05 19.25,9.8 19.25,11.75 ; R6.2@20,13.65 19.25,12.9 19.25,11.75 ; v1(21.1,15.6) C12.2@21.7,15.6 22,15.6 22.56,16.16 U2.75@23.54,16.16 ; v1@24.74,32.218 v1(24.74,32.208) C13.2@24.74,31.618 25.09,31.268 U2.50@25.09,29.71 ; C9.2@35.84,32.57 35.79,32.52 35.808,32.502 v1(35.808,31.99) 35.808,31.42 36.09,31.138 U2.28@36.09,29.71 ; v1(36.95,25.15) 36.94,25.16 U2.19@38.64,25.16 ; U2.100@37.09,14.61 37.09,13.535 37.525,13.1 C11.2@37.525,12.9 37.45,12.825 v1@37.45,12.35 ; v1@37.34,18.66 U2.6@38.64,18.66 ; U2.11@38.64,21.16 40.16,21.16 40.49,20.83 40.49,20.04 v1(40.55,19.98) C14.2@41.01,19.52 ; U2.21@38.64,26.16 39.844,26.16 C8.2@40.344,26.66 ; U2.22@38.64,26.66 C8.2@40.344,26.66 ; v1(38.844,12.4) C62.2@39.9,12.4 ; v1(39.9,11.544) C62.2@39.9,12.4 ; C8.2@40.4,26.7 40.384,26.7 C8.2@40.344,26.66 ; v1(40.95,12.4) C62.2@39.9,12.4 ; C7.2@41.5,26.7 41.46,26.66 v1(41,26.66) C8.2@40.344,26.66
  Component Side w0.4: U9.40@68.88,40.845 U9.40@68.88,40.854
  Component Side w0.5: C4.2@9.05,17.05 v1(9.05,19.5) ; U6.40@13.246,40.845 13.246,39.324 C27.2@13.327,39.243 ; v2(13.3,38.4) C27.2@13.3,39.216 ; U7.40@31.788,40.845 31.788,39.324 C28.2@31.869,39.243 ; v2(31.842,38.4) C28.2@31.842,39.216 ; R49.2@45.99,24.5 v1(46.857,24.5) ; U8.40@50.33,40.845 50.33,39.324 C29.2@50.411,39.243 51.073,39.243 v1(51.1,39.27) ; R50.2@51.181,24.453 51.134,24.5 v1(52,24.5) ; R55.2@56.295,24.5 v1(57,24.5) ; R56.2@61.294,24.5 62.3,24.5 v1(62.5,24.3) ; U9.40@68.872,40.845 68.872,39.324 C47.2@68.953,39.243 ; v1(68.926,38.6) C47.2@68.926,39.216 ; C25.2@72.8,24.9 v1(72.8,25.5) ; U10.40@87.414,40.845 87.414,39.324 C48.2@87.495,39.243 ; v1@87.468,38.4 v1(87.468,38.45) C48.2@87.468,39.216
  Solder Side w0.25: J9.1@89.75,34.65 89.75,35.45 90.1,35.8 91.85,35.8 92.3,35.35 v1(92.3,34.75)
  Solder Side w0.3: A1.8@14.732,32.916 A1.8@14.862,32.786 ; J1.1@24.2,5.118 24.318,5.118 v1(25,5.8)
  Solder Side w0.5: A1.8@14.732,32.916 ESP_PROG.1@14.732,35.306
  other v1: 17.45,11.9 37.55,12.3 17.65,18.35 37.25,18.65 72.65,30.05 73.45,30.05 74.25,30.05
  other v2: 65.1,27.7 65.1,28.7 65.1,29.7 65.1,30.7 65.1,31.7
+5V: C23.2 C24.2 EXP1.10 EXP3.2 F2.1 FAN_VDD_SEL1.1 J1.3 J2.1 J9.3 L2.2 PWR_AUX.3 R59.2 R63.2 U5.Vin | length 139.4
  Component Side w0.2: FAN_VDD_SEL1.1@65.458,18.542 FAN_VDD_SEL1.1@65.151,18.542 66.158,18.542 66.72,17.98 R59.2@68.821,17.98 ; R63.2@76.793,24.82 R63.2@76.793,24.92 76.793,25.493 77.102,25.802 77.102,27.409 77.1,27.412 77.488,27.8 77.725,27.8 78.9,28.975 78.9,30.7
  Component Side w0.5: F2.1@14.95,10.6 15.35,10.6 16.7,9.25 v1(17.05,9.25) ; EXP1.10@20.133,4.95 EXP1.10@20.133,5.167
  Power Plane w0.5: v1@17.05,9.3 v1(17.05,9.25) 17.05,8.033 EXP1.10@20.133,4.95 24.183,0.9 40.7,0.9 42.73,2.93 42.73,13.7 43.35,14.32 55.22,14.32 57.9,17 63.609,17 FAN_VDD_SEL1.1@65.151,18.542 66.509,19.9 68.22,19.9 69.47,21.15 69.47,32.38 v1(68.9,32.95) v1(68.15,32.95) ; v1(86.192,31.7) 87.592,33.1 91.1,33.1 ; v1(91.7,33.7) 91.1,33.1 ; EXP3.2@98.54,36.93 97.2,35.59 95.29,35.59 92.8,33.1 91.1,33.1
  Solder Side w0.4: EXP1.10@20.133,4.95 21.347,3.735 J1.3@24.2,3.735
  Solder Side w0.5: J9.3@91.15,34.65 J9.3@91.15,34.25 ; J9.3@91.2,34.161 91.15,34.211 J9.3@91.15,34.25 ; v1(91.7,33.7) J9.3@91.15,34.25
  Solder Side w1: PWR_AUX.3@60.579,30.353 60.579,31.279 62.2,32.9 72.9,32.9 73.9,31.9 ; J2.1@63.32,17.12 63.729,17.12 FAN_VDD_SEL1.1@65.151,18.542 ; 76.7,31.1 76.7,31.7 v1(78.4,31.7)
  other v1: 79,31 85.592,31 79,32.4 85.592,32.4
+ES_VDD: E-STOP.3 F1.2 PROBE.1 X-STOP.3 Y-STOP.3 Z-STOP.3 | length 101
  Component Side w0.4: F1.2@90.15,36.55 91.25,36.55 92.9,38.2 96.6,38.2 98.54,40.14 PROBE.1@98.54,44.1
  Power Plane w0.4: X-STOP.3@23.866,58.734 25.2,57.4 60.95,57.4 ; Z-STOP.3@60.95,58.668 60.95,57.41 60.96,57.4 79.506,57.4 ; E-STOP.3@79.492,58.668 79.506,58.654 79.506,57.4 ; PROBE.1@98.3,44.1 PROBE.1@98.44,44.1 98.54,44.1 97.1,45.54 97.1,49.89 95.936,51.054 94.968,51.054 91.158,54.864 82.042,54.864 79.506,57.4
  Power Plane w0.5: X-STOP.3@23.866,58.734 X-STOP.3@23.866,58.768 ; 42.408,57.608 Y-STOP.3@42.408,58.668
+VFAN: FAN_VDD_SEL1.2 FANS.1 FANS.3 FANS.5 J2.2 | length 16.4
  Component Side w1: FANS.1@61.595,3.429 FANS.3@61.595,5.969 FANS.5@61.595,8.509 62.074,8.509 63.7,10.135 63.7,14.85 64.852,16.002 FAN_VDD_SEL1.2@65.151,16.002
  Solder Side w1: J2.2@63.32,15.92 65.069,15.92 FAN_VDD_SEL1.2@65.151,16.002
BEEPER: EXP1.1 U2.66 | length 34
  Component Side w0.2: EXP1.1@9.973,2.41 8.75,3.633 8.75,5.4 9.73,6.38 12.848,6.38 14.848,8.38 21.807,8.38 24.187,10.76 24.51,10.76 25.506,11.756 v1@25.506,12.244 ; U2.66@23.54,20.66 v1@25.5,20.66
  Solder Side w0.2: v1(25.5,12.15) 25.75,12.4 v1(25.75,20.75)
BOOT0: BOOT1.2 R30.2 SWD.6 U2.94 | length 34.5
  Component Side w0.2: v1(33.15,16.35) 33.4,16.35 34.09,15.66 U2.94@34.09,14.61 ; R30.2@46.378,35 BOOT1.2@48.058,35
  Solder Side w0.2: v1(33.15,16.35) 32.48,17.02 32.48,21.331 33.55,22.401 33.55,23.361 38.289,28.1 46.576,28.1 SWD.6@46.863,27.813 48,28.95 48,34.03 BOOT1.2@48.514,34.544
BTN_EN1: EXP2.5 U2.87 | length 22.2
  Component Side w0.2: U2.87@30.59,14.61 30.59,11.603 26.48,7.493 26.48,1.47 26.82,1.13 31.934,1.13 EXP2.5@33.214,2.41
BTN_EN2: EXP2.3 U2.81 | length 17.8
  Component Side w0.2: v1(24.75,9.4) 24.8,9.35 24.95,9.35 27.59,11.99 U2.81@27.59,14.61
  Solder Side w0.2: v1(24.75,9.4) 24.85,9.3 27.85,9.3 29.4,7.75 29.4,3.684 EXP2.3@30.674,2.41
BTN_ENC: EXP1.2 U2.79 | length 22
  Component Side w0.2: EXP1.2@9.973,4.95 10.6,4.95 11.65,6 13.006,6 15.006,8 21.964,8 24.344,10.38 24.667,10.38 26.59,12.303 U2.79@26.59,14.61
E0_CS: U2.42 U9.18 | length 63.4
  Component Side w0.2: U2.42@29.09,29.71 29.1,29.7 29.1,28.2 29.45,27.85 32.55,27.85 v1(32.6,27.8) ; v1@65.757,50.95 66.834,50.95 67.272,51.388 U9.18@67.272,52.245
  Power Plane w0.2: v1(60.25,39.95) 58.674,41.526 58.674,50.274 59.327,50.927 v1(65.734,50.927)
  Solder Side w0.2: v1(32.6,27.8) 32.201,27.8 31.66,28.341 31.66,32.796 33.354,34.49 35.275,34.49 38.229,37.444 51.512,37.444 51.532,37.425 53.815,37.425 53.831,37.44 58.04,37.44 60.25,39.65 v1(60.25,39.95)
E0_DIR: E0_STEP.2 U2.37 U9.41 | length 47.8
  Component Side w0.2: U2.37@31.59,29.71 31.59,30.873 31.68,30.963 31.68,31.43 v1(32.3,32.05) ; U9.41@69.672,40.845 69.672,39.563 E0_STEP.2@70.581,38.655
  Solder Side w0.2: v1(32.3,32.05) 32.25,32.05 32.3,32.1 32.3,32.898 33.511,34.11 35.433,34.11 38.387,37.064 51.355,37.064 51.374,37.045 53.973,37.045 53.988,37.06 58.36,37.06 61.15,39.85 69.388,39.85 70.581,38.658 E0_STEP.2@70.581,38.655
E0_MOT_1A: E0-MOTOR.3 E0-MOTOR.4 U9.5 U9.6 U9.10 U9.11 | length 19.3
  Component Side w1.5: E0-MOTOR.4@69.332,56.228 E0-MOTOR.3@69.332,58.668
  Solder Side w1.5: E0-MOTOR.3@69.332,58.768 E0-MOTOR.3@69.332,58.668 E0-MOTOR.4@69.332,56.128 69.332,55.128 71.882,52.578 71.882,50.355 70.18,48.654 v2(70.18,47.752) v2(70.18,46.736) v2(70.18,45.72) v2(70.18,44.704) v2(70.18,43.654)
  other v2: 70.18,48.752
E0_MOT_1B: E0-MOTOR.1 E0-MOTOR.2 U9.2 U9.3 U9.7 U9.8 | length 20.6
  Component Side w1.5: E0-MOTOR.2@71.872,56.228 E0-MOTOR.1@71.872,58.668
  Solder Side w1.5: E0-MOTOR.1@71.872,58.768 E0-MOTOR.1@71.872,58.668 E0-MOTOR.2@71.872,56.128 71.872,55.001 75.88,50.992 v2(75.88,47.623) v2(75.88,46.623) v2(75.88,45.593) v2(75.88,44.45) v2(75.88,43.307) v2(75.88,42.254)
E0_MOT_2A: E0-MOTOR.5 E0-MOTOR.6 U9.26 U9.27 U9.31 U9.32 | length 26
  Component Side w1.5: E0-MOTOR.6@66.792,56.228 E0-MOTOR.5@66.792,58.668
  Solder Side w1.5: v2(60.28,42.254) 66.511,42.254 67.63,43.373 67.63,54.544 66.792,55.382 E0-MOTOR.6@66.792,56.128 E0-MOTOR.5@66.792,58.668 E0-MOTOR.5@66.792,58.768
  other v2: 60.28,43.254 60.28,44.254 60.28,45.254 60.28,46.254 60.28,47.254
E0_MOT_2B: E0-MOTOR.7 E0-MOTOR.8 U9.23 U9.24 U9.28 U9.29 | length 12.3
  Component Side w1.5: E0-MOTOR.8@64.252,56.228 E0-MOTOR.7@64.252,58.668
  Solder Side w1.5: 62.484,49.657 62.484,54.46 64.202,56.178 64.252,56.228 E0-MOTOR.7@64.252,58.668 E0-MOTOR.7@64.252,58.768
  other v2: 65.405,44.276 65.405,45.276 65.405,46.276 65.405,47.276 65.405,48.276 65.405,49.276
E0_STEP: E0_STEP.1 U2.36 U9.42 | length 47.6
  Component Side w0.2: U2.36@32.09,29.71 32.09,31.04 32.5,31.45 32.548,31.45 32.9,31.801 32.9,32.348 ; U9.42@70.472,40.845 70.472,40.033 E0_STEP.1@71.851,38.655
  Solder Side w0.2: v1(32.9,32.65) 32.9,32.736 33.894,33.73 35.59,33.73 38.544,36.684 51.198,36.684 51.217,36.665 54.13,36.665 54.145,36.68 58.517,36.68 59.637,37.8 71.5,37.8 71.851,38.151 E0_STEP.1@71.851,38.655
E1_CS: U2.35 U10.18 | length 70.3
  Component Side w0.2: U2.35@32.59,29.71 32.59,30.954 33.405,31.769 v1@33.5,31.769 ; v1@84.299,50.95 85.376,50.95 85.814,51.388 U10.18@85.814,52.245
  Power Plane w0.2: v1(75.65,40.3) 75.65,40.344 77.216,41.91 77.216,50.292 77.851,50.927 v1(84.276,50.927)
  Solder Side w0.2: v1@33.5,31.769 v1(33.5,31.969) ; v1(33.5,31.969) 33.5,32.799 34.051,33.35 39.467,33.35 42.421,36.304 51.04,36.304 51.06,36.285 54.287,36.285 54.303,36.3 58.675,36.3 59.795,37.42 74.42,37.42 75.65,38.65 v1(75.65,40.3)
E1_DIR: E1_STEP.2 U2.34 U10.41 | length 63.5
  Component Side w0.2: U2.34@33.09,29.71 33.09,30.71 34.1,31.72 v1(34.1,32.55)
  Component Side w0.25: U10.41@88.222,40.854 88.222,39.828 89.123,38.927 E1_STEP.2@89.123,38.655
  Solder Side w0.2: v1(34.1,32.55) 34.52,32.97 39.624,32.97 42.578,35.924 50.883,35.924 50.902,35.905 54.445,35.905 54.46,35.92 58.832,35.92 59.952,37.04 74.577,37.04 74.877,37.34 87.935,37.34 89.123,38.527 E1_STEP.2@89.123,38.655
E1_MOT_1A: E1-MOTOR.3 E1-MOTOR.4 U10.5 U10.6 U10.10 U10.11 | length 19.3
  Component Side w1.5: E1-MOTOR.4@87.874,56.228 E1-MOTOR.3@87.874,58.668
  Solder Side w1.5: E1-MOTOR.3@87.874,58.768 E1-MOTOR.3@87.874,58.668 E1-MOTOR.4@87.874,56.128 87.874,55.128 90.424,52.578 90.424,50.355 88.722,48.654 v2(88.722,47.752) v2(88.722,46.736) v2(88.722,45.72) v2(88.722,44.704) v2(88.722,43.654)
  other v2: 88.722,48.752
E1_MOT_1B: E1-MOTOR.1 E1-MOTOR.2 U10.2 U10.3 U10.7 U10.8 | length 20.6
  Component Side w1.5: E1-MOTOR.2@90.414,56.228 E1-MOTOR.1@90.414,58.668
  Solder Side w1.5: E1-MOTOR.1@90.414,58.768 E1-MOTOR.1@90.414,58.668 E1-MOTOR.2@90.414,56.128 90.414,55.001 94.422,50.992 v2(94.422,47.623) v2(94.422,46.623) v2(94.422,45.593) v2(94.422,44.45) v2(94.422,43.307) v2(94.422,42.254)
E1_MOT_2A: E1-MOTOR.5 E1-MOTOR.6 U10.26 U10.27 U10.31 U10.32 | length 26
  Component Side w1.5: E1-MOTOR.6@85.334,56.228 E1-MOTOR.5@85.334,58.668
  Solder Side w1.5: v2(78.822,42.254) 85.053,42.254 86.172,43.373 86.172,54.544 85.334,55.382 E1-MOTOR.6@85.334,56.128 E1-MOTOR.5@85.334,58.668 E1-MOTOR.5@85.334,58.768
  other v2: 78.822,43.254 78.822,44.254 78.822,45.254 78.822,46.254 78.822,47.254
E1_MOT_2B: E1-MOTOR.7 E1-MOTOR.8 U10.23 U10.24 U10.28 U10.29 | length 12.3
  Component Side w1.5: E1-MOTOR.8@82.794,56.228 E1-MOTOR.7@82.794,58.668
  Solder Side w1.5: 81.026,49.657 81.026,54.46 82.744,56.178 82.794,56.228 E1-MOTOR.7@82.794,58.668 E1-MOTOR.7@82.794,58.768
  other v2: 83.947,44.276 83.947,45.276 83.947,46.276 83.947,47.276 83.947,48.276 83.947,49.276
E1_STEP: E1_STEP.1 U2.33 U10.42 | length 65.3
  Component Side w0.2: U2.33@33.59,29.71 33.59,30.673 34.48,31.563 34.48,31.83 34.7,32.05 v1(34.75,32.05)
  Component Side w0.25: E1_STEP.1@90.393,38.655 90.393,38.707 89.014,40.086 ; 89.014,40.086 U10.42@89.014,40.845 89.014,40.086
  Solder Side w0.2: v1(34.75,32.05) 35.02,32.05 35.559,32.59 40.554,32.59 41.264,33.3 44.984,33.3 47.228,35.544 48.25,35.544 48.269,35.525 54.602,35.525 54.618,35.54 58.99,35.54 60.11,36.66 74.81,36.66 75.11,36.96 89.61,36.96 90.393,37.743 E1_STEP.1@90.393,38.655